# KiCad board Commodore-Vic-20.kicad_pcb (continued)
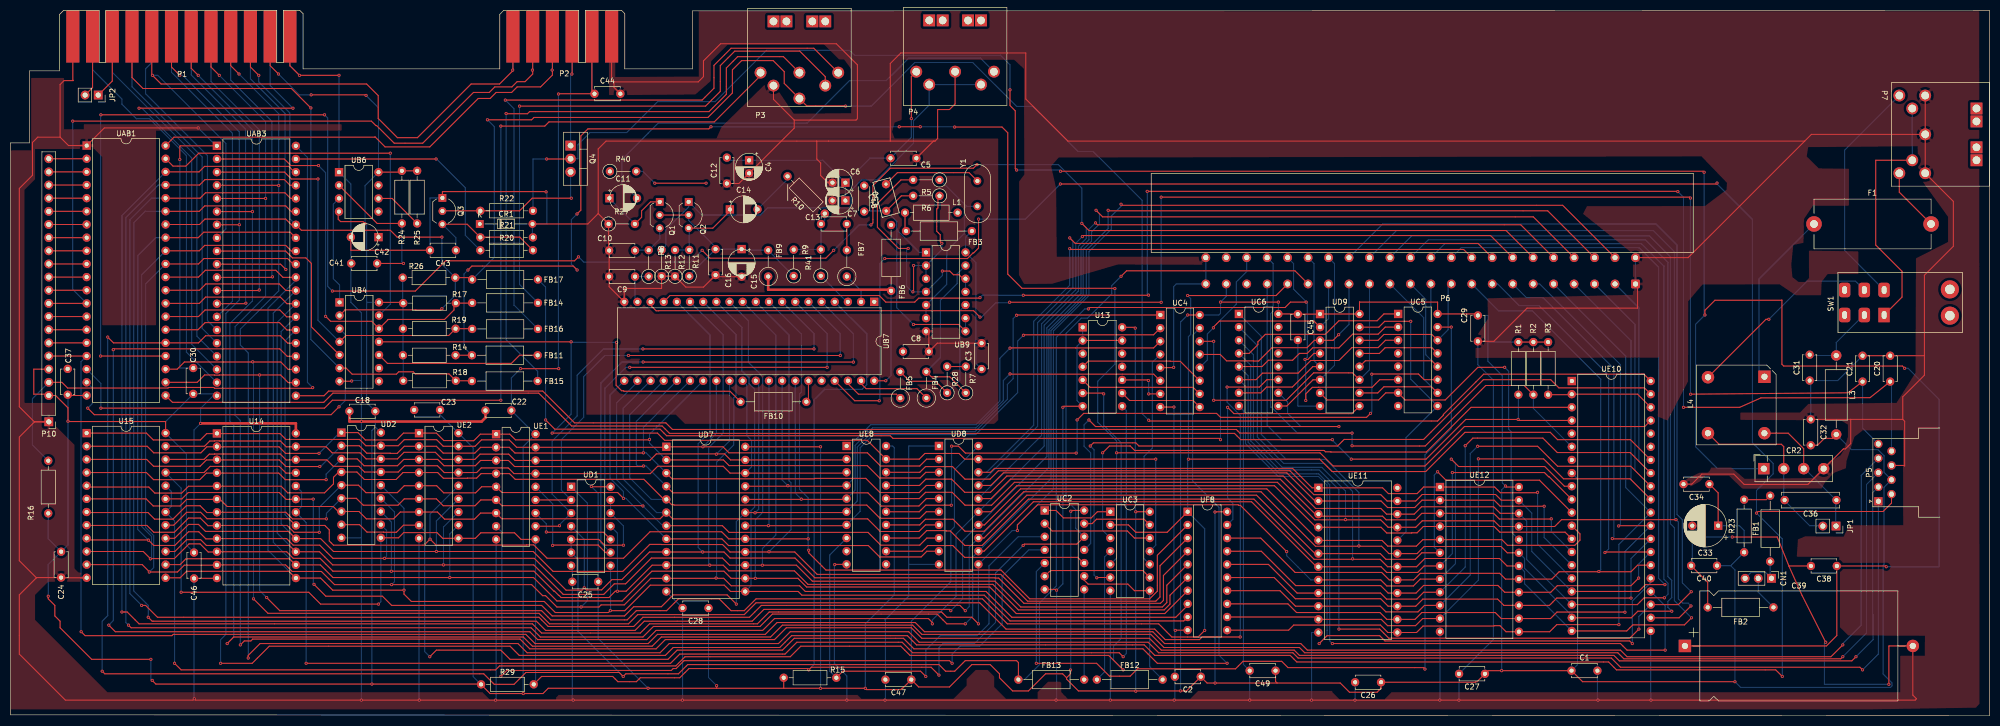
[diagram p0: board, top side]
## Nets
9VACin: P7.6 SW1.4
9VACout: F1.2 P7.7
+5V: C1.1 C2.1 C4.1 C5.1 C6.1 C7.1 C12.2 C18.1 C22.1 C23.1 C24.1 C25.1 C26.1 C27.1 C28.1 C29.1 C30.1 C32.2 C33.1 C34.1 C37.1 C40.1 C44.1 C45.1 C46.1 C47.1 C49.1 FB6.1 L1.2 L3.2 P1.2 P2.2 P2.B P4.1 P5.7 P6.21 P10.2 P10.4 R1.1 R2.1 R3.1 R7.2 R14.1 R15.1 R16.1 R17.1 R18.1 R19.1 R23.1 R24.1 R25.1 R26.1 R28.2 R29.1 U13.14 U14.24 U15.24 UAB1.20 UAB3.20 UB4.14 UB6.4 UB6.8 UC2.14 UC3.14 UC4.16 UC5.16 UC6.16 UD1.14 UD2.18 UD7.24 UD8.20 UD9.1 UD9.16 UE1.18 UE2.18 UE8.20 UE10.8 UE11.24 UE12.24 UF8.20
+5VP: P7.4 P7.5 SW1.1
GND: C1.2 C2.2 C3.2 C4.2 C5.2 C6.2 C7.2 C8.2 C9.2 C10.2 C12.1 C15.2 C16.2 C18.2 C20.2 C21.2 C22.2 C23.2 C24.2 C25.2 C26.2 C27.2 C28.2 C29.2 C30.2 C31.1 C32.1 C33.2 C34.2 C37.2 C38.2 C39.2 C40.2 C41.2 C42.2 C43.2 C44.2 C45.2 C46.2 C47.2 C49.2 CR1.2 CR2.4 FB2.2 P1.1 P1.12 P1.A P1.N P2.1 P2.A P3.2 P4.2 P5.8 P6.1 P6.22 P6.A P6.Z P7.1 P7.2 P7.3 P10.1 Q3.1 R12.1 R13.1 R21.2 R27.1 U13.1 U13.2 U13.7 U13.12 U13.13 U14.12 U15.12 UAB1.1 UAB3.1 UB4.7 UB6.1 UB7.20 UB9.7 UC2.7 UC3.7 UC4.5 UC4.8 UC5.4 UC5.5 UC5.8 UC6.8 UD1.7 UD2.9 UD7.12 UD8.1 UD8.10 UD9.8 UE1.9 UE2.9 UE8.1 UE8.10 UE10.1 UE10.21 UE11.12 UE12.12 UF8.10
/BD0: U14.9 U15.9 UAB1.33 UAB3.33 UB7.16 UD1.4 UD2.11 UD7.9 UF8.4
/BD1: U14.10 U15.10 UAB1.32 UAB3.32 UB7.15 UD1.11 UD2.12 UD7.10 UF8.6
/BD2: U14.11 U15.11 UAB1.31 UAB3.31 UB7.14 UD1.1 UD2.13 UD7.11 UF8.8
/BD3: U14.13 U15.13 UAB1.30 UAB3.30 UB7.13 UD1.8 UD2.14 UD7.13 UF8.9
/BD4: U14.14 U15.14 UAB1.29 UAB3.29 UB7.12 UD7.14 UE2.11 UF8.7
/BD5: U14.15 U15.15 UAB1.28 UAB3.28 UB7.11 UD7.15 UE2.12 UF8.5
/BD6: U14.16 U15.16 UAB1.27 UAB3.27 UB7.10 UD7.16 UE2.13 UF8.3
/BD7: U14.17 U15.17 UAB1.26 UAB3.26 UB7.9 UD7.17 UE2.14 UF8.2
/CA0: P6.B UAB1.38 UAB3.38 UD8.11 UE10.9 UE11.8 UE12.8
/CA1: P6.C UAB1.37 UAB3.37 UD8.12 UE10.10 UE11.7 UE12.7
/CA2: P6.D UAB1.36 UAB3.36 UD8.13 UE10.11 UE11.6 UE12.6
/CA3: P6.E UAB1.35 UAB3.35 UD8.14 UE10.12 UE11.5 UE12.5
/CA4: P6.F UAB1.24 UAB3.24 UD8.15 UE10.13 UE11.4 UE12.4
/CA5: P6.H UD8.16 UE10.14 UE11.3 UE12.3
/CA6: P6.J UD8.17 UE10.15 UE11.2 UE12.2
/CA7: P6.K UD8.18 UE10.16 UE11.1 UE12.1
/CA8: P6.L UE8.18 UE10.17 UE11.23 UE12.23
/CA9: P6.M UE8.17 UE10.18 UE11.22 UE12.22
/CA10: P6.N UC6.1 UE8.14 UE10.19 UE11.19 UE12.19
/CA12: P6.R UC6.3 UE8.16 UE10.22 UE11.21 UE12.21
/CA13: P6.S UC5.1 UC6.4 UE10.23
/CA14: UC5.2 UC6.5 UE10.24
/CA15: UC5.3 UC6.6 UE10.25
/CD0: P6.2 UE10.33 UE11.9 UE12.9 UF8.16
/CD1: P6.3 UE10.32 UE11.10 UE12.10 UF8.14
/CD2: P6.4 UE10.31 UE11.11 UE12.11 UF8.12
/CD3: P6.5 UE10.30 UE11.13 UE12.13 UF8.11
/CD4: P6.6 UE10.29 UE11.14 UE12.14 UF8.13
/CD5: P6.7 UE10.28 UE11.15 UE12.15 UF8.15
/CD6: P6.8 UE10.27 UE11.16 UE12.16 UF8.17
/CD7: P6.9 UE10.26 UE11.17 UE12.17 UF8.18
/VA0: U14.8 U15.8 UB7.21 UD2.5 UD7.8 UD8.9 UE1.5 UE2.5
/VA1: U14.7 U15.7 UB7.22 UD2.6 UD7.7 UD8.8 UE1.6 UE2.6
/VA2: U14.6 U15.6 UB7.23 UD2.7 UD7.6 UD8.7 UE1.7 UE2.7
/VA3: U14.5 U15.5 UB7.24 UD2.4 UD7.5 UD8.6 UE1.4 UE2.4
/VA4: U14.4 U15.4 UB7.25 UD2.3 UD7.4 UD8.5 UE1.3 UE2.3
/VA5: U14.3 U15.3 UB7.26 UD2.2 UD7.3 UD8.4 UE1.2 UE2.2
/VA6: U14.2 U15.2 UB7.27 UD2.1 UD7.2 UD8.3 UE1.1 UE2.1
/VA7: U14.1 U15.1 UB7.28 UD2.17 UD7.1 UD8.2 UE1.17 UE2.17
/VA8: U14.23 U15.23 UB7.29 UD2.16 UD7.23 UE1.16 UE2.16 UE8.2
/VA9: U14.22 U15.22 UB7.30 UD2.15 UD7.22 UE1.15 UE2.15 UE8.3
/VA10: U14.19 U15.19 UB7.31 UC4.1 UD7.19 UE8.6
/VA11: UB7.32 UC4.2 UD7.18 UE8.7
/VA12: UB7.33 UC4.3 UD7.21 UE8.4
/VA13: UB7.34 UC4.6 UD7.20 UE8.5
/VD8: UB7.8 UD1.3 UE1.11
/VD9: UB7.7 UD1.10 UE1.12
/VD10: UB7.6 UD1.2 UE1.13
/VD11: UB7.5 UD1.9 UE1.14
AUDIO_IN: P6.Y R40.1
BLK0: UC2.5 UC5.15
BLK1: P6.10 UC5.14 UD9.14
BLK2: P6.11 UC5.13 UD9.13
BLK3: P6.12 UC5.12 UD9.12
BLK4: P6.P UC5.11 UC6.2 UE8.13 UE8.15 UE10.20 UE11.18 UE12.18
BLK5: P6.13 UC5.10 UD9.10
BLK6: UC5.9 UD9.15 UE11.20
BLK7: UC5.7 UD9.7 UE12.20
CENB: R15.2 UC2.3 UE8.8
COLOR: UC2.10 UE8.12
CRW: P6.18 UAB1.22 UAB3.22 UC3.2 UE10.34 UF8.1
IO2: P6.T UC6.9 UD9.6
IO3: P6.U UC6.7 UD9.5
IRQ: P6.19 R1.2 UAB1.21 UE10.4
JOY0: P1.4 P5.1 UAB3.4
JOY1: P1.5 P5.2 UAB3.5
JOY2: P1.6 P5.3 UAB3.6
JOY3: P5.4 P10.5 UAB1.17
L-PEN: P1.7 P5.6 UAB3.7 UB7.37
NMI: P6.W R2.2 UAB3.21 UE10.6
RAM1: P6.14 UC4.14 UD9.11
RAM2: P6.15 UC4.13 UD9.3
RAM3: P6.16 UC4.12 UD9.2
Serial_1: P3.1 UAB1.18
Serial_3: FB15.1 P3.3
Serial_4: FB14.1 P3.4
Serial_5: FB16.1 P3.5
SO1: FB12.2 UC2.9 UC3.8
SO2: FB13.1 P6.V UAB1.25 UAB3.25 UC5.6 UD1.5 UD1.6 UD1.12 UD1.13 UD9.4
VIDEO_3: C11.2 P4.3
VIDEO_4: P4.4 P4.5 Q2.1 R13.2
VRW: P6.17 R29.2 U14.21 U15.21 UB7.4 UC2.12 UD2.10 UE1.10 UE2.10
~{RES}: FB17.2 P1.3 P3.6 R26.2 UAB1.34 UAB3.34 UB4.2 UE10.40
Net-(C13-Pad1): C13.1 R9.2 R10.1 R41.2
Net-(C13-Pad2): C13.2 FB7.2
Net-(C14-Pad2): C14.2 R10.2
Net-(C48-Pad1): C48.1 C50.1 Y1.2
Net-(C48-Pad2): C48.2 C50.2 R6.2 UB9.1 UB9.8 UB9.9
Net-(CN1-Pin_1): CN1.1 CN1.3 FB1.1
Net-(CN1-Pin_2): CN1.2 FB2.1
Net-(CR1-K): CR1.1 Q3.2 Q4.3 R22.1
Net-(CR2-+): C38.1 C39.1 CR2.1 Q4.2 R22.2
Net-(F1-Pad1): F1.1 L4.1
Net-(FB1-Pad2): FB1.2 R23.2
Net-(FB3-Pad2): FB3.2 L1.1
Net-(FB4-Pad2): FB4.2 R7.1 UB9.13
Net-(FB5-Pad2): FB5.2 R28.1 UB9.10
Net-(FB11-Pad2): FB11.2 UB4.10
Net-(FB12-Pad1): FB12.1 UC3.4
Net-(FB13-Pad2): FB13.2 UC2.8
Net-(JP1-Pin_1): C36.1 CR2.3 JP1.1 L4.4
Net-(JP1-Pin_2): C36.2 CR2.2 JP1.2 L4.3
Net-(JP2-Pin_1): JP2.1 P1.10
Net-(JP2-Pin_2): JP2.2 P1.11
Net-(P1-ATN-IN): FB15.2 P1.9 R18.2 UB4.6
Net-(P1-CB1): P1.B UAB3.18
Net-(P1-CB2): P1.M UAB3.19
Net-(P1-CSWITCH): P1.8 P2.6 P2.F UAB3.8
Net-(P1-PB0): P1.C UAB3.10
Net-(P1-PB1): P1.D UAB3.11
Net-(P1-PB2): P1.E UAB3.12
Net-(P1-PB3): P1.F UAB3.13
Net-(P1-PB4): P1.H UAB3.14
Net-(P1-PB5): P1.J UAB3.15
Net-(P1-PB6): P1.K UAB3.16
Net-(P1-PB7): P1.L UAB3.17
Net-(P5-Pin_5): C21.1 P5.5 UB7.18
Net-(P5-Pin_9): C20.1 P5.9 UB7.17
Net-(P6-~{RES}): FB17.1 P6.X
Net-(Q1-B): C10.1 Q1.3 R8.2 R40.2
Net-(Q1-C): C15.1 C16.1 FB9.2 Q1.2 Q2.2 R9.1 R11.1
Net-(Q1-E): C11.1 Q1.1 R27.2
Net-(Q2-B): C14.1 Q2.3 R11.2 R12.2
Net-(Q3-B): C43.1 Q3.3 R20.2 R21.1
Net-(Q4-E): P2.3 P2.C Q4.1
Net-(R5-Pad1): R5.1 UB9.5 UB9.6 Y1.1
Net-(R5-Pad2): R5.2 R6.1 UB9.2 UB9.3 UB9.4 UB9.11 UB9.12
Net-(SW1A-B): C31.2 L3.1 SW1.2
Net-(SW1B-B): L4.2 SW1.5
Net-(U14-~{CS}): U13.8 U14.18 U14.20
Net-(U15-~{CS}): U13.6 U15.18 U15.20
Net-(UAB1-CA1): P2.4 P2.D UAB1.40
Net-(UAB1-CA2): UAB1.39 UB4.13
Net-(UAB1-CB2): UAB1.19 UB4.3
Net-(UAB1-PA0): P10.20 UAB1.2
Net-(UAB1-PA1): P10.19 UAB1.3
Net-(UAB1-PA2): P10.18 UAB1.4
Net-(UAB1-PA3): P10.17 UAB1.5
Net-(UAB1-PA4): P10.16 UAB1.6
Net-(UAB1-PA5): P10.15 UAB1.7
Net-(UAB1-PA6): P10.14 UAB1.8
Net-(UAB1-PA7): P10.13 UAB1.9
Net-(UAB1-PB0): P10.12 UAB1.10
Net-(UAB1-PB1): P10.11 UAB1.11
Net-(UAB1-PB2): P10.10 UAB1.12
Net-(UAB1-PB3): P2.5 P2.E P10.9 UAB1.13
Net-(UAB1-PB4): P10.8 UAB1.14
Net-(UAB1-PB5): P10.7 UAB1.15
Net-(UAB1-PB6): P10.6 UAB1.16
Net-(UAB1-~{CS2}): UAB1.23 UAB3.23 UC6.11
Net-(UAB3-CA1): P10.3 R16.2 UAB3.40
Net-(UAB3-CA2): R20.1 UAB3.39
Net-(UAB3-PA0): FB14.2 R17.2 UAB3.2 UB4.12
Net-(UAB3-PA1): FB16.2 R19.2 UAB3.3 UB4.4
Net-(UAB3-PA7): UAB3.9 UB4.5
Net-(UB6-DIS): C42.1 R25.2 UB6.6 UB6.7
Net-(UB6-Q): UB4.1 UB6.3
Net-(UB6-TR): C41.1 R24.2 UB6.2
Net-(UB7-COMP-C): FB7.1 UB7.2
Net-(UB7-COMP-S): C9.1 R8.1 UB7.19
Net-(UB7-PФ1): FB10.1 UB7.35
Net-(UB7-SYCLU): R41.1 UB7.3
Net-(UB7-VCC): C8.1 FB6.2 FB9.1 UB7.40
Net-(UB7-Ф1IN): FB4.1 UB7.39
Net-(UB7-Ф2IN): FB5.1 UB7.38
Net-(UB9E-VCC): C3.1 FB3.1 UB9.14
Net-(UC2-Pad1): UC2.1 UC3.1
Net-(UC2-Pad2): UC2.2 UC3.12
Net-(UC2-Pad6): UC2.6 UC3.9
Net-(UC2-Pad13): UC2.13 UC3.13
Net-(UC4-E1): UC3.10 UC4.4
Net-(UC4-O0): UC4.15 UD2.8 UE2.8
Net-(UC4-O4): U13.4 UC4.11
Net-(UC4-O5): U13.5 UC4.10
Net-(UC4-O6): U13.9 UC4.9
Net-(UC4-O7): U13.10 UC4.7
Net-(UC6-O5): UC2.11 UC6.10
Net-(UD8-CE): FB10.2 UB4.11 UC3.11 UD8.19 UE8.19
Net-(UE1-CS): UC2.4 UE1.8
Net-(UE10-RDY): R3.2 UE10.2 UE10.38
Net-(UE10-Ø0(IN)): FB11.1 R14.2 UC3.5 UE10.37
Net-(UE10-Ø1(OUT)): UC3.3 UE10.3
Net-(UE10-Ø2(OUT)): UC3.6 UE10.39
Net-(UF8-CE): UD9.9 UF8.19

Pads without a net: P6 20; SW1 3 6; U13 3 11; UB4 8 9; UB6 5; UB7 1 36; UC6 12 13 14 15; UE8 9 11; UE10 5 7 35 36

## Via types
v1: diameter 0.6, hole 0.3, Top to Bottom, 354 vias

## Routing (per net, layer and track width the routed paths; a pad name or vN(x,y) marks a point on that pad's centre or on a via; arc(x,y) is an arc through that point)
9VACin: length 45.1
  Bottom w0.2: P7.6 354.12,109.19 354.12,89.81 SW1.4
9VACout: length 12.3
  Top w0.2: P7.7 364.68,101.08 F1.2
+5V: length 1783.5
  Top w0.2: C33.1 329.71,43.01 C34.1 ; UD1.14 112.22,44.2 v1(112.17,44.25) ; 203.91,7.32 203.15,8.08 199.85,8.08 196.55,4.78 193.5,4.78 190.96,7.32 190.96,8.08 189.18,9.86 185.62,9.86 181.31,5.54 175.36,5.54 C47.1 172.26,5.28 172.16,5.28 171.91,5.03 165.3,5.03 v1(165.05,5.28) v1(156.41,5.28) 149.3,5.28 ; 203.91,7.32 204.67,8.08 v1(204.67,8.81) ; 203.91,7.32 203.91,7.06 206.2,4.78 v1(225.91,4.78) 227.08,4.78 C2.1 231.04,6.3 v1(232.59,6.3) 244.55,6.3 ; v1(68.67,119.76) 68.55,119.88 v1(58.07,119.88) ; 244.55,6.3 244.26,6.59 C49.1 ; 244.55,6.3 256.74,6.3 258.52,4.52 263.86,4.52 264.62,5.28 C26.1 282.8,6.45 282.91,6.55 283.16,6.55 C27.1 285.29,8.69 v1(287.91,8.69) C1.1 303.53,6.55 v1(332.94,6.55) ; v1(173.94,115.29) 173.94,123.41 P4.1 ; R17.1 75.69,79.81 UB4.14 ; UE12.24 288.85,44.15 v1(288.65,44.35) ; v1(7.32,23.06) 7.32,22.56 8.59,21.29 8.59,19.25 9.6,18.24 9.6,16.97 15.7,10.87 v1(27.13,10.87) ; P10.4 4.52,66.9 4.52,62.08 7.16,62.08 P10.2 8.74,61.82 11.13,59.44 v1(11.13,56.85) 11.18,56.79 29.97,56.79 U15.24 ; UB6.8 75.34,104.95 R24.1 R25.1 ; UC4.16 v1(227.28,77.37) ; v1(98.5,67.01) v1(105.87,67.01) ; UF8.20 232.61,39.37 v1(232.56,39.32) ; v1(51.77,123.9) 50.16,125.51 P1.2 ; C29.1 283.02,77.57 UC5.16 275.54,79.86 260.5,79.86 260.46,79.9 UD9.16 UD9.1 252.82,77.53 C45.1 248.52,77.57 UC6.16 ; v1(204.72,39.47) 204.88,39.62 UC2.14 ; UB6.4 63.3,97.18 63.3,95.86 63.75,95.4 68.07,95.4 v1(68.48,95) ; UC3.14 217.28,39.38 v1(217.27,39.37) ; C44.1 105.87,120.09 v1(105.82,120.04) ; v1(136.35,5.79) 136.35,5.28 ; 136.35,5.28 149.3,5.28 ; 136.35,5.28 v1(123.11,5.28) 103.84,5.28 102.82,4.27 v1(99.01,4.27) 92.61,4.27 90.78,6.1 v1(69.8,6.1) 28.09,6.1 v1(27.38,6.81) ; 112.98,120.09 112.27,120.8 P2.2 ; R28.2 R7.2 ; C37.1 11.22,61.82 UAB1.20 ; R1.1 R3.1 ; U13.14 217.01,74.99 v1(217.17,74.83) ; R15.1 149.3,5.28 ; L3.2 351.74,53.54 350.22,53.54 348.88,52.21 C32.2 ; v1(244.81,79.86) v1(233.63,79.86) ; UD7.24 v1(156.41,51.92)
  Top w0.5: v1(36.73,56.44) 55.12,56.44 U14.24
  Bottom w0.2: 68.78,79.71 68.78,94.69 v1(68.48,95) 68.48,102.36 UB6.8 71.07,117.36 v1(68.67,119.76) ; 68.78,79.71 68.88,79.81 UB4.14 ; 68.78,79.71 68.78,60.45 C18.1 70.46,55.73 ; v1(287.91,8.69) 287.91,43.61 v1(288.65,44.35) 288.04,44.96 288.04,65.66 285.24,68.45 285.24,72.14 ; C6.1 156.9,107.24 C4.1 138.85,107.24 C12.2 ; C6.1 165.94,107.65 C5.1 173.94,111.67 v1(173.94,115.29) ; C6.1 C7.1 ; v1(105.82,120.04) 105.82,67.06 v1(105.87,67.01) ; v1(225.91,4.78) 225.92,4.79 225.92,76.01 v1(227.28,77.37) ; v1(98.5,67.01) 96.72,65.23 C22.1 101.3,54.36 UE1.18 99.01,51.97 v1(99.01,4.27) ; L3.2 355.44,51.37 360.55,51.37 361.73,50.19 361.73,46.98 P5.7 361.73,44.1 361.73,29.23 361.55,29.05 361.55,8.03 363.26,6.32 363.26,5.75 362.96,5.45 334.05,5.45 v1(332.94,6.55) 332.94,28.14 332.13,28.96 ; R26.1 75.74,79.76 R17.1 75.79,79.6 R19.1 R14.1 75.84,69.55 R18.1 ; UC6.16 v1(244.81,79.86) ; v1(232.56,39.32) 232.56,6.32 v1(232.59,6.3) ; P6.21 234.74,80.97 v1(233.63,79.86) 233.63,77.67 233.32,77.37 UC4.16 ; C40.1 332.13,28.96 ; 332.13,28.96 R23.1 334.72,35.76 333.81,36.68 C33.1 ; v1(217.17,74.83) 217.17,39.47 v1(217.27,39.37) v1(217.27,4.72) ; C28.1 134.78,7.36 v1(136.35,5.79) ; 285.24,72.14 285.22,72.16 285.29,72.24 285.29,77.27 285.28,77.28 C29.1 ; 285.24,72.14 R1.1 ; C1.1 302.55,9.84 302.55,45.74 UE10.8 ; v1(58.07,119.88) 55.78,119.88 v1(51.77,123.9) ; v1(156.41,51.92) v1(156.41,5.28) ; v1(69.8,6.1) 69.8,55.07 70.46,55.73 ; v1(165.05,5.28) 165.05,17.73 170.64,23.32 170.64,51.77 170.33,52.07 UE8.20 ; C24.1 7.32,29.17 v1(7.32,23.06) ; C24.1 7.32,34.15 R16.1 ; C24.1 11.13,32.98 v1(11.13,56.85) 11.13,61.91 C37.1 ; C44.1 112.27,120.59 P2.2 ; 70.46,55.73 UD2.18 ; v1(27.13,10.87) 27.13,7.06 v1(27.38,6.81) ; v1(204.67,8.81) 204.72,8.86 v1(204.72,39.47) ; C47.1 173.94,18.24 181.56,25.86 181.56,35.76 182.26,36.46 182.26,47.44 UD8.20 ; C23.1 82.96,58.12 UE2.18 89.36,51.71 89.36,7.52 90.78,6.1 ; v1(123.11,5.28) 113.49,14.91 C25.1 113.49,42.93 v1(112.17,44.25) ; C30.1 39.52,62.13 UAB3.20 39.17,61.77 36.73,59.33 v1(36.73,56.44) 35.46,55.17 C46.1 33.99,32.97 33.99,50.55 U15.24 29.97,56.79 C30.1
+5VP: length 50.7
  Top w0.2: 361.74,77.12 SW1.1 365.2,80.83 365.2,85.8 360.12,90.88 360.12,107.25 P7.5
  Bottom w0.2: P7.4 P7.5
GND: length 2372.1
  Top w0.2: 155.65,110.95 155.69,110.91 155.69,107.47 156.44,106.72 156.44,104.29 157.81,102.92 C6.2 ; 155.65,110.95 115.01,110.95 113.49,109.42 113.49,96.95 ; 155.65,110.95 157.96,110.95 ; 116.54,122.38 116.54,121.32 C44.2 ; 116.54,122.38 116.08,122.83 P2.1 ; 116.54,122.38 132.79,122.38 133.81,123.39 133.81,126.44 137.11,129.74 159.46,129.74 163.53,125.68 163.53,115.27 163.27,115.01 151.33,115.01 ; 346.41,110.95 204.17,110.95 196.04,119.08 196.04,127.97 171.91,127.97 169.88,125.93 169.88,110.95 ; 346.41,110.95 323.9,88.44 P6.A ; 346.41,110.95 347.7,112.25 P7.2 ; v1(32.72,107.39) 32.72,109.93 32.82,110.03 UAB3.1 ; 178.51,110.95 178.22,110.95 C5.2 ; 178.51,110.95 179.02,111.46 179.02,117.04 181.31,117.04 182.39,118.13 P4.2 ; 178.51,110.95 169.88,110.95 ; C42.2 65.74,89.87 C43.2 ; C12.1 140.64,102.76 151.33,113.45 151.33,115.01 ; 151.33,115.01 147.33,119.02 P3.2 ; v1(201.98,24.23) 201.83,24.38 UC2.7 ; P5.8 365.6,48.31 365.71,48.21 365.71,56.85 365.34,57.21 ; P7.2 P7.1 ; P7.2 P7.3 375.11,99.32 375.11,90.63 369.52,85.04 369.52,69.55 ; v1(103.43,101.14) 103.38,101.19 83.46,101.19 83.41,101.14 Q3.1 ; C46.2 35.48,26.52 39.88,26.52 ; v1(63.45,123.65) v1(55.82,123.65) 53.97,125.49 P1.1 ; UE8.10 159.21,29.21 v1(159.16,29.16) ; 157.96,110.95 157.96,110.95 ; 157.96,110.95 169.88,110.95 ; v1(362.66,6.05) 362.66,13.41 362.71,13.46 C39.2 367.29,3.96 368,3.25 367.74,3 v1(316.74,3) v1(306.5,3) v1(279.65,3) v1(275.97,3) v1(259.59,3) v1(251.21,3) v1(239.27,3) v1(224.69,3) v1(212.37,3) v1(201.88,3) v1(168.86,3) v1(161.49,3) v1(129.74,3) v1(108.66,3) v1(93.68,3) v1(78.94,3) v1(67.77,3) 35.76,3 v1(35.51,3.25) 35.26,3 10.62,3 1.73,11.89 1.73,23.32 5.03,26.62 ; v1(36.27,113.49) 18.14,113.49 UAB1.1 11.23,110.08 9.6,111.71 ; UB9.7 177.33,73.67 C8.2 178.95,71.93 C3.2 ; P6.1 314.15,82.96 314.15,78.69 292.81,78.69 286.4,72.28 C29.2 ; 369.52,69.55 369.52,65.74 365.34,61.56 365.34,57.21 ; 369.52,69.55 369.48,69.51 C20.2 C21.2 ; 65.48,56.79 65.46,56.82 ; C38.2 343.36,28.91 ; 343.36,28.91 345.91,23.21 v1(350.47,14.17) ; 343.36,28.91 343.37,28.9 341.11,34.49 v1(332.44,34.49) ; C34.2 324.62,44.7 326.56,46.64 332.73,46.64 334.72,44.65 347.03,44.65 353.89,51.51 354.28,51.51 355.3,52.53 355.3,57.21 ; v1(203.2,59.54) 203.41,59.75 U13.7 ; UF8.10 224.94,16.51 v1(224.89,16.46) ; 365.34,57.21 355.3,57.21 ; 355.3,57.21 C32.1 ; 9.6,111.71 9.6,121.87 10.36,122.63 12.14,122.63 12.06,122.71 P1.12 ; 9.6,111.71 5.28,111.71 4.27,110.69 4.27,104.34 1.73,101.8 1.73,59.64 4.62,56.74 P10.1 4.67,56.74 1.73,53.8 1.73,29.92 5.03,26.62 ; 5.03,26.62 5.07,26.66 C24.2 9.84,26.62 U15.12 ; 113.49,96.95 111.48,94.95 CR1.2 ; 113.49,96.95 R27.1 115.49,89.93 C10.2 C9.2 115.6,82.83 UB7.20 118.52,82.45 118.57,82.5 125.68,82.5 125.73,82.55 R13.1 128.3,84.86 R12.1 130.4,82.75 133.82,82.75 C16.2 136.46,84.76 C15.2 ; v1(65.89,64.62) 65.84,64.57 UB4.7 ; FB2.2 327.69,25.76 C40.2 ; v1(224.59,67.26) 224.54,67.21 UC4.5 ; U13.2 U13.13 ; UC4.8 v1(224.64,59.59)
  Top w0.5: 65.46,56.82 C18.2 ; C22.2 91.72,57.53 90.98,56.79 65.48,56.79
  Bottom w0.2: C45.2 248.56,59.83 248.62,59.78 UD9.8 ; v1(224.64,59.59) 224.64,16.71 v1(224.89,16.46) 224.82,16.39 C2.2 224.82,3.13 v1(224.69,3) ; v1(32.72,107.39) 32.72,67.13 C30.2 ; UD2.9 67.67,34.34 ; v1(161.49,3) 161.49,7.67 159.08,10.08 159.08,29.08 v1(159.16,29.16) ; P6.Z P6.22 225.09,83.36 224.59,82.85 v1(224.59,67.26) ; v1(67.77,3) v1(67.77,56.85) 67.77,64.72 ; UE10.21 316.69,3.05 v1(316.74,3) ; v1(36.27,113.49) 39.73,110.03 UAB3.1 ; UC3.7 212.35,3.01 v1(212.37,3) ; U13.1 U13.2 205.92,71.35 205.92,60.85 U13.7 ; v1(63.45,123.65) UB6.1 65.74,102.67 65.74,79.82 67.77,77.79 67.77,64.72 ; UC6.8 238.06,58.92 238.06,9.89 C49.2 239.26,3.01 v1(239.27,3) ; C26.2 259.62,3.03 v1(259.59,3) ; v1(93.68,3) 93.78,3.1 UE1.9 ; v1(350.47,14.17) 350.22,13.92 350.22,6.05 v1(362.66,6.05) ; 67.77,64.72 65.99,64.72 v1(65.89,64.62) ; C46.2 35.46,3.56 35.51,3.51 ; v1(203.2,59.54) 203.2,25.45 v1(201.98,24.23) 201.98,3.1 v1(201.88,3) ; UE12.12 276,3.02 v1(275.97,3) ; C40.2 324.71,29.17 C33.2 326.89,34.49 v1(332.44,34.49) ; v1(168.86,3) 168.94,3.08 C47.2 168.94,18.41 168.86,18.49 173.43,23.06 173.43,29.16 ; v1(103.43,101.14) 103.58,100.99 103.58,94.95 CR1.2 100.79,92.46 R21.2 ; v1(251.21,3) 251.21,16.03 251.23,16.05 UE11.12 ; v1(279.65,3) 279.68,3.03 C27.2 286.31,14.7 286.31,64.77 283.31,67.77 C29.2 ; C1.2 306.4,3.1 v1(306.5,3) ; 173.43,29.16 173.48,29.21 UD8.10 ; 173.43,29.16 173.43,52.02 173.48,52.07 UD8.1 ; v1(129.74,3) 129.78,3.04 C28.2 126.64,23.92 UD7.12 ; P6.A P6.1 ; v1(78.94,3) 78.89,3.05 UE2.9 ; v1(55.82,123.65) 53.97,125.49 P1.1 ; v1(108.66,3) 108.49,3.17 C25.2 108.49,28.72 UD1.7 ; C21.2 352.78,64.71 C31.1 347.57,64.51 C32.1 ; Q3.1 81.02,99.97 C43.2
/BD0: length 394.3
  Top w0.2: 39.88,34.14 37.74,34.14 36.37,35.51 34.39,35.51 31.75,32.87 27.69,32.87 v1(26.67,33.88) ; UAB3.33 54.02,93.35 37.32,93.35 36.27,92.3 UAB1.33 ; UF8.4 222.61,27.06 222.61,22.25 222.05,21.69 195.68,21.69 190.8,26.57 190.14,26.57 190.09,26.62 155.3,26.62 151.49,30.43 138.94,30.43 137.77,31.6 v1(133.65,31.6) UD7.9 123.39,31.6 118.06,26.26 116.13,26.26 114.15,24.28 111.2,24.28 v1(110.79,24.69) 110.34,24.23 107.29,24.23 101.14,30.38 v1(72.24,30.38) 62.28,30.38 59.74,32.92 54.61,32.92 53.34,34.19 U14.9 ; 26.62,33.93 15.04,33.93 U15.9
  Bottom w0.2: UAB1.33 28.04,92.3 24.59,88.85 24.59,35.97 v1(26.67,33.88) ; UD2.11 72.63,35.78 72.63,30.77 v1(72.24,30.38) ; UB7.16 135.08,73.51 135.08,54.81 132.79,52.53 132.79,32.46 v1(133.65,31.6) ; v1(110.79,24.69) 110.79,34.04 UD1.4
/BD1: length 397.1
  Top w0.2: UAB1.32 36.47,89.76 37.52,90.81 53.15,90.81 54.25,89.71 UAB3.32 ; 27.03,30.33 v1(27.03,30.28) 27.08,30.28 27.03,30.33 ; 27.03,30.33 31.65,30.33 34.49,33.17 36.63,33.17 38.2,31.6 39.88,31.6 ; 27.03,30.33 25.65,31.7 U15.10 ; U14.10 53.34,31.65 54.61,30.38 59.79,30.38 62.28,27.89 v1(73.56,27.89) 101.09,27.89 104.95,24.03 105.05,24.03 105.87,23.22 105.92,23.22 106.32,22.81 115.57,22.81 116.79,24.03 v1(117.2,24.03) 118.87,24.03 123.9,29.06 UD7.10 v1(135.03,29.06) 137.62,29.06 138.72,27.96 151.37,27.96 153.97,25.35 189.69,25.35 194.61,20.42 222.76,20.42 223.88,21.54 223.88,23.25 UF8.6
  Bottom w0.2: v1(117.2,24.03) 117.2,35.26 UD1.11 ; UD2.12 73.56,37.39 v1(73.56,27.89) ; v1(27.03,30.28) 27.27,30.52 27.27,34.6 25.35,36.53 25.35,85.14 UAB1.32 ; v1(135.03,29.06) 134.82,29.26 134.82,51.77 137.62,54.56 137.62,73.51 UB7.15
/BD2: length 412.3
  Top w0.2: 26.87,27.74 32.26,27.74 33.58,29.06 39.88,29.06 ; U14.11 53.14,29.11 54.41,27.84 60.05,27.84 62.59,25.3 v1(73.61,25.3) 100.63,25.3 102.77,23.16 103.33,23.16 105.51,20.98 v1(110.19,20.98) 113.64,20.98 114.05,21.39 118.52,21.39 123.65,26.52 UD7.11 136.19,26.52 v1(136.25,26.57) 136.3,26.52 137.72,26.52 139.16,25.08 152.37,25.08 153.47,23.98 188.37,23.98 193.34,19 224.99,19 227.29,21.3 UF8.8 ; UAB1.31 36.32,87.22 37.37,88.27 53.51,88.27 54.61,87.17 UAB3.31 ; 26.82,27.79 25.45,29.16 U15.11
  Bottom w0.2: UB7.14 140.08,73.58 140.08,61.8 139.65,61.37 139.65,52.27 136.35,48.97 136.35,26.67 v1(136.25,26.57) ; UAB1.31 26.11,83.36 26.11,36.33 27.67,34.77 27.67,28.58 v1(26.82,27.74) ; v1(73.61,25.3) 74.16,25.85 74.16,39.33 UD2.13 ; UD1.1 111.39,41.06 111.39,22.19 v1(110.19,20.98)
/BD3: length 386.3
  Top w0.2: UF8.9 226.53,18.29 192.99,18.29 188.01,23.27 152.81,23.27 152.1,23.98 UD7.13 139.04,23.98 137.82,25.2 123.55,25.2 118.62,20.27 v1(115.82,20.27) 115.47,19.91 105.21,19.91 103.07,22.05 77.42,22.05 76,23.47 v1(76,24.23) 62.23,24.23 59.89,26.57 U14.13 ; U15.13 32.77,26.62 34.01,27.86 53.77,27.86 55.12,26.52 ; UAB3.30 52.63,84.63 51.26,86 37.64,86 36.32,84.68 UAB1.30
  Bottom w0.2: v1(115.82,20.27) 115.87,20.32 UD1.8 ; UD2.14 76,40.03 v1(76,24.23) ; UD7.13 142.98,25.08 142.98,39.58 143.69,40.28 143.69,63.04 142.6,64.14 142.6,65.19 141.22,66.57 141.22,75.01 140.36,75.87 140.34,75.87 UB7.13 ; UAB3.30 55.12,84.07 49.73,78.69 49.73,31.95 U14.13
/BD4: length 359
  Top w0.2: UF8.7 222.87,19.71 194.21,19.71 189.08,24.84 153.72,24.84 152.04,26.52 v1(143.81,26.52) UD7.14 139.14,26.52 137.77,27.89 123.85,27.89 118.11,22.15 105.51,22.15 100.99,26.67 v1(84.84,26.67) 62.28,26.67 59.84,29.11 U14.14 ; UAB3.29 53.19,82.09 51.92,83.36 37.74,83.36 36.53,82.14 UAB1.29 ; 55.12,29.06 53.87,30.3 33.91,30.3 32.77,29.16 U15.14
  Bottom w0.2: UAB3.29 50.75,77.72 50.75,33.48 U14.14 ; v1(84.84,26.67) 84.84,35.1 UE2.11 ; UB7.12 142.48,76.27 142.48,68.24 145.24,65.48 145.24,39.24 143.81,37.82 v1(143.81,26.52)
/BD5: length 357.9
  Top w0.2: UF8.5 223.27,25.18 223.27,21.84 222.4,20.98 195.07,20.98 190.09,25.96 154.84,25.96 151.74,29.06 v1(145.19,29.06) UD7.15 138.84,29.06 137.46,30.43 123.75,30.43 118.77,25.45 116.59,25.45 114.55,23.42 106.73,23.42 101.04,29.11 v1(83.62,29.11) 62.23,29.11 59.69,31.65 U14.15 ; UAB1.28 36.47,79.6 37.69,80.82 52.12,80.82 53.39,79.55 UAB3.28 ; 55.12,31.6 53.85,32.87 37.85,32.87 36.73,33.99 34.04,33.99 31.75,31.7 U15.15
  Bottom w0.2: v1(145.19,29.06) 145.19,32.28 147.78,34.87 147.78,73.51 UB7.11 ; U14.15 51.51,35.26 51.51,75.95 UAB3.28 ; UE2.12 83.62,36.42 v1(83.62,29.11)
/BD6: length 353.7
  Top w0.2: U15.16 31.7,34.24 34.39,36.93 36.32,36.93 37.68,35.58 53.68,35.58 55.12,34.14 ; U14.16 59.89,34.19 62.38,31.7 v1(82.25,31.7) 100.94,31.7 104.78,27.86 118.23,27.86 123.44,33.07 125.63,33.07 125.66,33.04 137.5,33.04 138.94,31.6 UD7.16 146.41,31.6 v1(146.46,31.65) 146.51,31.6 151.43,31.6 155.75,27.28 191.21,27.28 196.39,22.1 221.13,22.1 221.95,22.91 221.95,28.94 UF8.3 ; UAB1.27 36.32,77.06 37.59,78.33 52.02,78.33 53.34,77.01 UAB3.27
  Bottom w0.2: UB7.10 150.32,73.51 150.32,45.36 150.71,44.97 150.71,35.91 v1(146.46,31.65) ; UE2.13 82.25,37.59 v1(82.25,31.7) ; UAB3.27 52.27,74.17 52.27,37.03 U14.16
/BD7: length 350.9
  Top w0.2: v1(154.13,31.95) 154.13,31.45 157.46,28.11 185.34,28.11 185.37,28.14 185.4,28.11 191.24,28.11 196.8,22.56 219.95,22.56 221.44,24.04 221.44,30.97 UF8.2 ; UAB3.26 53.39,74.47 51.97,75.9 37.59,75.9 36.22,74.52 UAB1.26 ; 55.12,36.68 53.77,38.02 37.97,38.02 36.73,39.27 34.04,39.27 31.55,36.78 U15.17 ; v1(154.03,34.14) UD7.17 138.68,34.14 137.31,35.51 123.49,35.51 118.38,30.4 103.61,30.4 101.04,32.97 99.67,32.97 99.64,32.94 82.18,32.94 v1(81.03,34.09) 79.86,32.92 62.38,32.92 61.57,33.73 61.57,35.86 60.71,36.73 U14.17
  Bottom w0.2: U14.17 53.04,38.81 53.04,72.39 UAB3.26 ; v1(154.13,31.95) 154.03,32.05 v1(154.03,34.14) 154.03,42.04 152.35,43.71 152.35,62.11 152.73,62.49 152.73,73.63 UB7.9 ; UE2.14 81.03,38.91 v1(81.03,34.09)
/CA0: length 618.8
  Top w0.2: v1(186.89,17.73) 185.62,19 180.8,19 179.78,20.02 146.51,20.02 144.22,17.73 123.39,17.73 121.62,15.95 102.57,15.95 100.79,17.73 24.84,17.73 22.56,20.02 v1(21.54,20.02) ; v1(246.41,31.67) 237.46,40.61 237.13,40.61 237.02,40.72 198.31,40.72 194.41,36.83 v1(194.41,35.74) ; v1(278.18,49.53) 279.6,48.11 296.21,48.11 300.02,44.3 UE10.9 ; P6.B 299.68,98.55 214.63,98.55 v1(214.43,98.76) ; UE12.8 272.19,26.37 270.87,25.04 265.73,25.04 264.57,26.21 UE11.8 ; UAB3.38 54.86,104.95 53.74,106.07 37.49,106.07 36.42,105 UAB1.38
  Bottom w0.2: v1(214.43,98.76) 214.43,98.35 212.55,96.47 212.55,93.93 208.23,89.61 208.23,81.11 201.37,74.26 201.37,43.79 194.41,36.83 v1(194.41,35.74) 193.42,35.74 UD8.11 v1(186.89,17.73) ; UE11.8 251.08,26.21 246.41,30.89 v1(246.41,31.67) ; UAB1.38 21.54,96.57 v1(21.54,20.02) ; UE12.8 278.98,29.35 278.98,48.73 v1(278.18,49.53)
/CA1: length 612.8
  Top w0.2: v1(278.38,46.94) 296.16,46.94 296.98,46.13 297.08,46.13 UE10.10 ; UAB1.37 36.53,102.46 37.57,103.51 52.9,103.51 54,102.41 UAB3.37 ; v1(22.81,17.48) 23.32,16.97 100.53,16.97 102.31,15.19 122.12,15.19 124.16,17.22 144.73,17.22 147.12,19.62 178.91,19.62 180.8,17.73 v1(184.35,17.73) ; UD8.12 187.96,31.75 197.51,41.3 239.62,41.3 252.17,28.75 UE11.7 264.62,28.75 265.72,27.65 271.7,27.65 272.95,28.91 UE12.7 ; P6.C 296.8,97.49 212.04,97.49 v1(211.94,97.59)
  Bottom w0.2: UAB1.37 28.55,102.46 22.3,96.22 22.3,17.98 v1(22.81,17.48) ; v1(211.94,97.59) 211.94,94.08 207.72,89.87 207.72,81.17 200.9,74.35 200.9,45.76 UD8.12 185.79,30.65 185.79,19.17 v1(184.35,17.73) ; UE12.7 278.38,31.29 v1(278.38,46.94)
/CA2: length 601
  Top w0.2: UD8.13 187.96,34.29 196.24,42.57 240.59,42.57 251.87,31.29 UE11.6 264.46,31.29 265.56,30.19 271.24,30.19 272.49,31.45 UE12.6 ; v1(209.6,97.59) 210.87,96.32 294.02,96.32 P6.D ; UAB1.36 36.63,99.92 37.68,100.97 53,100.97 54.1,99.87 UAB3.36 ; UE10.11 295.25,45.42 295.25,45.47 277.16,45.47 v1(275.54,47.09) ; v1(25.35,21.29) 26.11,21.29 28.4,19 102.06,19 103.84,17.22 120.35,17.22 122.12,19 142.7,19 144.98,21.29 183.34,21.29 v1(184.35,20.27)
  Bottom w0.2: UAB1.36 27.28,99.92 23.06,95.71 23.06,23.57 v1(25.35,21.29) ; v1(209.6,97.59) 210.26,96.93 210.26,94.95 208.74,93.42 208.74,91.64 207.11,90.01 207.11,81.12 200.5,74.52 200.5,47.9 UD8.13 185.12,32.51 185.12,21.03 v1(184.35,20.27) ; UE12.6 274.9,32.55 274.9,46.45 v1(275.54,47.09)
/CA3: length 574.4
  Top w0.2: UE10.12 303.02,35.1 303.02,33.88 302.02,32.89 289.03,32.89 287.93,33.99 UE12.5 272.69,33.99 271.44,32.73 265.92,32.73 264.82,33.83 UE11.5 242.57,43.79 195.02,43.79 188.06,36.83 UD8.14 ; UAB3.35 54.25,97.33 53.15,98.43 37.52,98.43 36.47,97.38 UAB1.35 ; v1(181.56,20.27) 181.31,20.52 145.49,20.52 143.21,18.24 122.38,18.24 120.6,16.46 103.33,16.46 101.55,18.24 27.38,18.24 v1(26.62,19) ; P6.E 291.59,94.79 209.85,94.79 v1(209.5,95.15)
  Bottom w0.2: UAB1.35 26.01,97.38 23.83,95.2 23.83,24.08 26.62,21.29 v1(26.62,19) ; v1(209.5,95.15) 209.45,95.15 208.23,93.93 208.23,91.9 206.71,90.37 206.71,81.48 200.1,74.88 200.1,50.04 UD8.14 183.85,33.78 183.85,22.56 v1(181.56,20.27)
/CA4: length 860.5
  Top w0.2: UE10.13 300.16,35.43 287.56,35.43 286.46,36.53 UE12.4 272.8,36.53 271.58,35.31 270.56,35.31 270.53,35.27 265.72,35.27 264.62,36.37 UE11.4 252.07,36.37 244.04,44.4 194.31,44.4 189.28,39.37 UD8.15 ; v1(166.14,94.77) 166.52,95.15 166.52,102.36 169.88,105.71 185.93,105.71 v1(186.61,106.4) ; UAB1.24 v1(17.42,69.44) ; v1(178,17.73) 178,17.98 177.24,18.75 147.52,18.75 145.24,16.46 124.66,16.46 122.89,14.68 101.8,14.68 100.28,16.21 20.27,16.21 v1(19,17.48) ; v1(133.55,89.87) 135.08,88.34 157.43,88.34 v1(158.95,89.87) ; v1(206.86,95.05) 208.23,93.68 288.76,93.68 P6.F ; v1(19.86,70.66) 20.03,70.83 52,70.83 53.44,69.39 UAB3.24 ; v1(109.68,88.6) 108.92,87.83 84.02,87.83 78.18,81.99 v1(62.18,81.99) ; v1(17.48,116.03) v1(60.66,116.03)
  Bottom w0.2: v1(158.95,89.87) 163.86,94.77 v1(166.14,94.77) ; v1(133.55,89.87) 131.27,87.58 110.69,87.58 v1(109.68,88.6) ; v1(178,17.73) 178,18.49 182.58,23.06 182.58,35.05 UD8.15 199.59,52.07 199.59,75.39 206.2,81.99 206.2,90.63 207.72,92.15 207.72,94.18 v1(206.86,95.05) 206.86,101.86 202.32,106.4 v1(186.61,106.4) ; v1(17.42,69.44) 17.42,115.98 v1(17.48,116.03) ; v1(60.66,116.03) 61.26,115.42 61.26,82.91 v1(62.18,81.99) ; v1(19.86,70.66) 19.86,18.34 v1(19,17.48)
/CA5: length 268.3
  Top w0.2: v1(206.96,92.51) 207.16,92.71 285.77,92.71 P6.H ; UD8.16 189.33,41.91 193.09,45.67 245.16,45.67 251.92,38.91 UE11.3 252.93,38.51 264.92,38.51 265.62,37.81 271.24,37.81 272.49,39.07 UE12.3 286.36,39.07 287.46,37.97 297.45,37.97 v1(297.48,38)
  Bottom w0.2: UE10.14 297.48,35.56 v1(297.48,38) ; v1(206.96,92.51) 205.69,91.24 205.69,82.25 199.09,75.64 199.09,54.1 UD8.16
/CA6: length 266.4
  Top w0.2: UD8.17 189.28,44.45 191.72,46.89 246.43,46.89 251.87,41.45 UE11.2 264.62,41.45 265.89,40.18 271.12,40.18 272.54,41.61 UE12.2 286.46,41.61 287.63,40.44 v1(296.11,40.44) ; v1(204.52,92.25) 205.59,91.19 283.35,91.19 P6.J
  Bottom w0.2: UD8.17 198.32,55.88 198.32,75.9 205.12,82.69 205.12,91.65 v1(204.52,92.25) ; v1(296.11,40.44) 296.11,34.39 UE10.15
/CA7: length 260.4
  Top w0.2: v1(294.84,43.13) 294.76,43.05 287.66,43.05 286.56,44.15 UE12.1 272.85,44.15 271.58,42.88 266.04,42.88 264.92,43.99 UE11.1 251.31,43.99 247.55,47.75 189.99,47.75 189.23,46.99 UD8.18 ; P6.K 280.57,90.02 204.67,90.02 v1(204.52,90.17)
  Bottom w0.2: UD8.18 188.47,46.99 197.56,56.08 197.56,76.15 204.52,83.11 v1(204.52,90.17) ; UE10.16 294.84,33.12 v1(294.84,43.13)
/CA8: length 272.2
  Top w0.2: UE12.23 287.83,41.61 286.73,42.71 272.58,42.71 271.32,41.45 UE11.23 265.79,41.45 264.57,42.67 251.65,42.67 247.03,47.29 190.75,47.29 189.13,45.67 184.3,45.67 181.88,48.09 176.66,48.09 175.56,46.99 UE8.18 ; UE10.17 314.35,23.98 315.67,25.3 v1(319.43,25.3)
  Bottom w0.2: UE12.23 293.73,39.12 293.73,31.7 UE10.17 ; v1(319.43,25.3) 318.21,26.52 318.21,86.56 314.4,90.37 280.12,90.37 P6.L
/CA9: length 282.1
  Top w0.2: v1(319.33,22.76) 315.42,22.76 314.1,21.44 UE10.18 ; UE8.17 175.51,44.45 176.73,45.67 181.71,45.67 184.25,43.13 189.23,43.13 192.38,46.28 245.72,46.28 251.99,40.01 264.58,40.01 265.68,38.91 UE11.22 271.02,38.91 272.44,40.34 286.36,40.34 287.63,39.07 UE12.22
  Bottom w0.2: v1(319.33,22.76) 320.03,23.46 320.03,25.55 319.23,26.35 319.23,86.82 314.91,91.14 276.93,91.14 P6.M ; UE12.22 292.74,37.57 292.74,30.15 UE10.18
/CA10: length 349.6
  Top w0.2: UE8.14 175.56,36.83 176.66,37.93 181.98,37.93 184.3,35.61 188.01,35.61 195.63,43.23 241.45,43.23 251.97,32.72 260.3,32.72 v1(260.35,32.77) 260.4,32.72 264.72,32.72 266.14,31.29 UE11.19 271.58,31.29 272.95,32.66 287.78,32.66 289,31.45 UE12.19 ; v1(320.75,20.17) 314.2,20.17 312.93,18.9 UE10.19
  Bottom w0.2: UE10.19 301.45,19.34 292.34,28.45 292.34,30.35 UE12.19 ; v1(260.35,32.77) 260.35,43.08 253.95,49.48 246.33,49.48 241.5,54.31 241.5,73.25 UC6.1 ; P6.N 273.75,91.9 315.67,91.9 319.99,87.58 319.99,26.87 320.75,26.11 320.75,22.81 319.99,22.05 319.99,20.93 v1(320.75,20.17)
